# KiCad board IotKnob.kicad_pcb (continued)
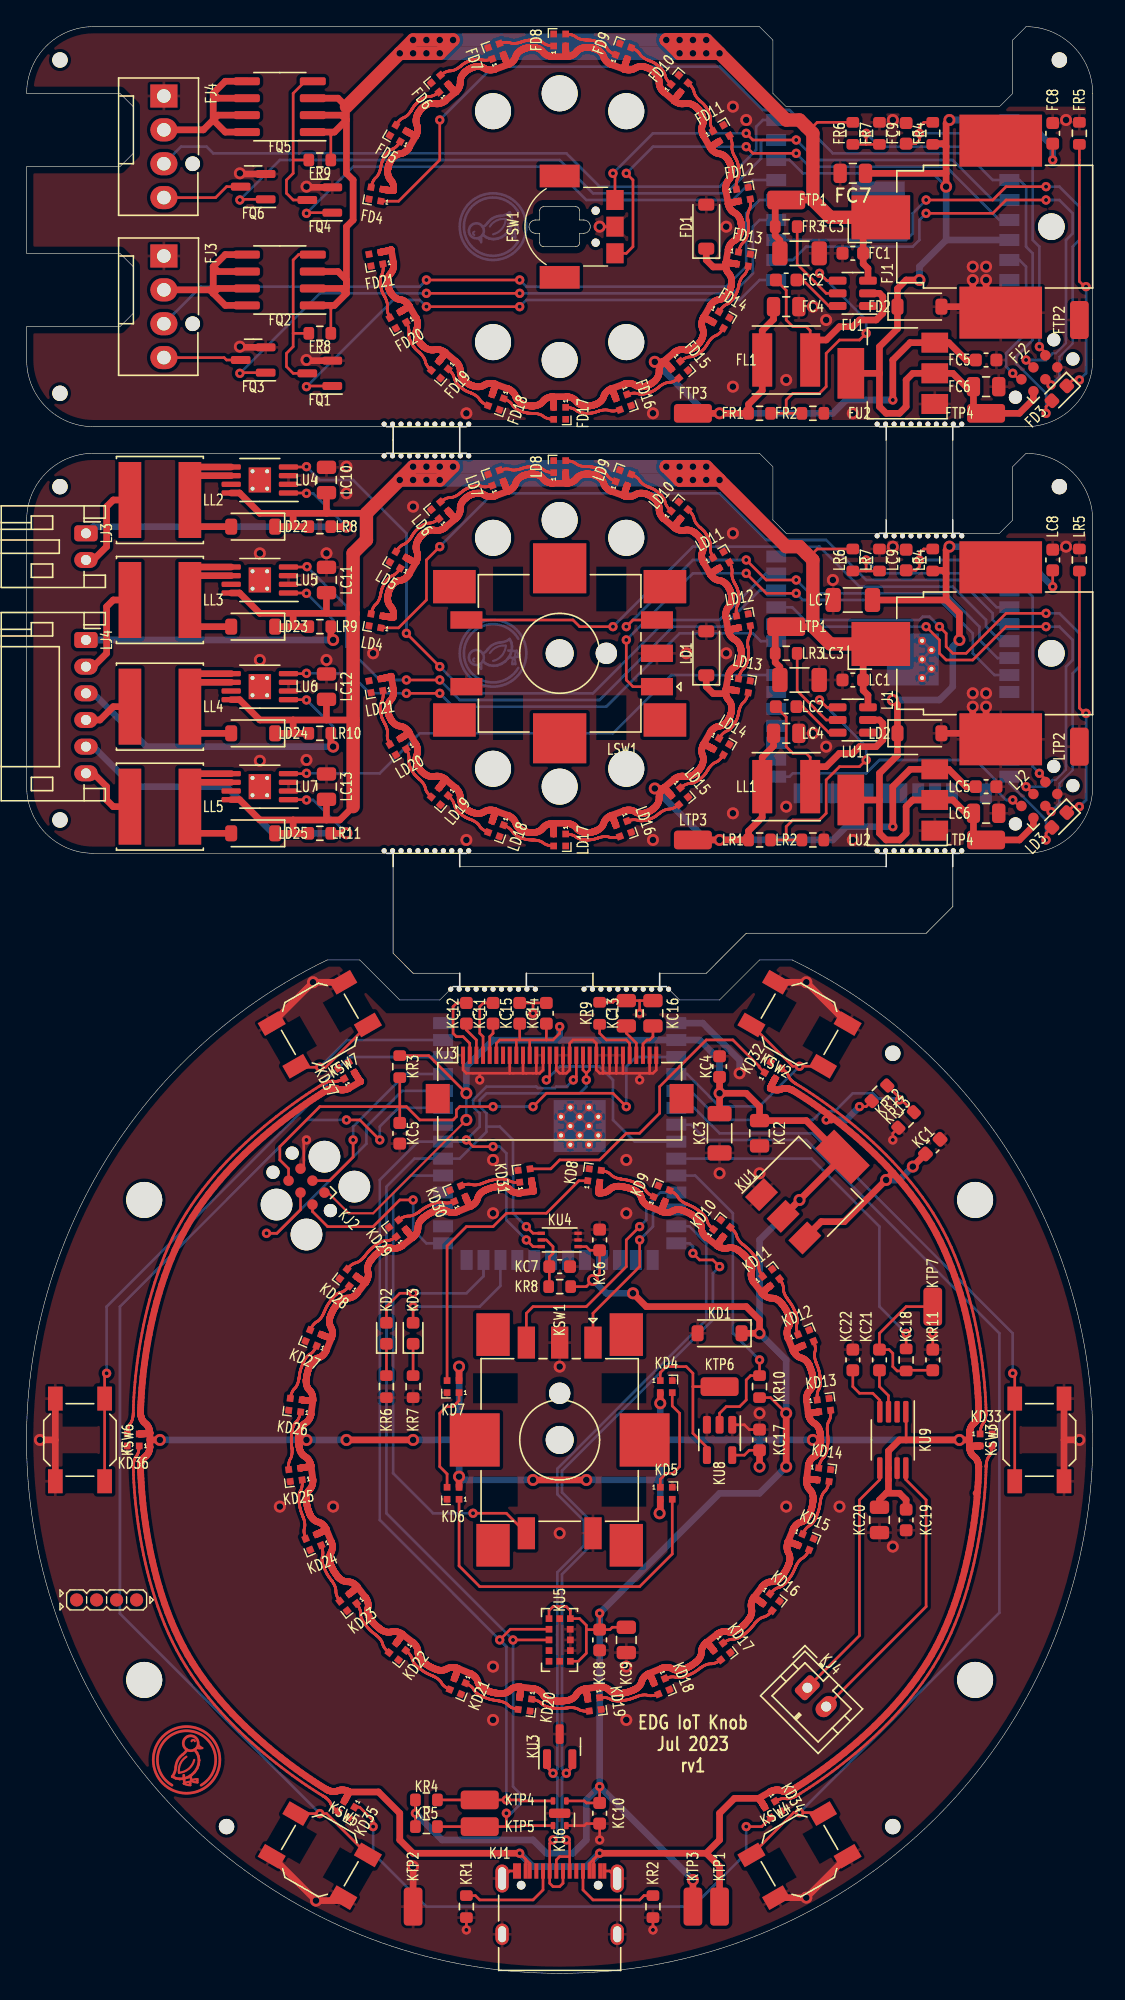
[diagram p0: board, top side]
## Footprints (pads in the part's own frame, mm; a bottom-side part is the same pattern mirrored in y, then rotated) (continued)
JST_PH_S2B-PH-K_1x02_P2.00mm_Horizontal
  rrect 1.2x1.75 hole 0.75: 1(0,0)
  oval 1.2x1.75 hole 0.75: 2(2,0)
JST_PH_S6B-PH-K_1x06_P2.00mm_Horizontal
  rrect 1.2x1.75 hole 0.75: 1(0,0)
  oval 1.2x1.75 hole 0.75: 2(2,0) 3(4,0) 4(6,0) 5(8,0) 6(10,0)
L_Sunlord_SWPA6045S
  rect 1.7x5.7 smd: 1(-2.25,0) 2(2.25,0)
L_Taiyo-Yuden_NR-50xx
  rect 1.5x4 smd: 1(-1.8,0) 2(1.8,0)
LED_0603_1608Metric
  rrect 0.875x0.95 smd: 1(-0.787,0) 2(0.787,0)
LED_SK6812_EC15_1.5x1.5mm
  rect 0.5x0.5 smd: 1(-0.45,0.45) 2(-0.45,-0.45) 3(0.45,-0.45) 4(0.45,0.45)
LED_SK6812_EC15_1.5x1.5mm#2
  rect 0.5x0.5 smd: 1(-0.45,0.45) 2(-0.45,-0.45) 3(0.45,-0.45) 4(0.45,0.45)
LED_SK6812_EC15_1.5x1.5mm#3
  rect 0.5x0.5 smd: 1(-0.45,0.45) 2(-0.45,-0.45) 3(0.45,-0.45) 4(0.45,0.45)
MountingHole_2.7mm_M2.5
  round 2.7 hole 2.7 unplated: (0,0)
MSOP-8-1EP_3x3mm_P0.65mm_EP1.68x1.88mm_ThermalVias
  rrect 0.7x0.79 smd: (-0.42,0.47) (-0.42,-0.47) (0.42,0.47) (0.42,-0.47)
  rrect 1.45x0.4 smd: 1(-2.15,0.975) 2(-2.15,0.325) 3(-2.15,-0.325) 4(-2.15,-0.975) 5(2.15,-0.975) 6(2.15,-0.325) 7(2.15,0.325) 8(2.15,0.975)
  round 0.5 hole 0.3: 9(-0.55,0.65) 9(-0.55,-0.65) 9(0.55,0.65) 9(0.55,-0.65)
  rect 1.6x1.8 smd far side: 9(0,0)
  rect 1.68x1.88 smd: 9(0,0)
MSOP-8_3x3mm_P0.65mm
  rrect 1.625x0.4 smd: 1(-2.112,0.975) 2(-2.112,0.325) 3(-2.112,-0.325) 4(-2.112,-0.975) 5(2.112,-0.975) 6(2.112,-0.325) 7(2.112,0.325) 8(2.112,0.975)
R_0603_1608Metric
  rrect 0.8x0.95 smd: 1(-0.825,0) 2(0.825,0)
RotaryEncoder_Alps_EC05E
  round 0.62 hole 0.62 unplated: (-1.2,-2.7) (1.2,-2.7)
  rect 1.5x1.3 smd: A(-2,-4.15) B(2,-4.15) C(0,-4.15)
  rect 1.7x3 smd: MP(-3.8,0) MP(3.8,0)
RotaryEncoder_Alps_EC11J15-Switch
  round 1.6 hole 2x1.6 unplated: (-3.5,0)
  round 2.1 hole 2.1 unplated: (0,0)
  rect 2.4x1.3 smd: A(-7.3,2.5) B(-7.3,-2.5) C(-7.3,0) S1(7,-2.5) S2(7,2.5)
  rect 3.2x2.5 smd: MP(-7.9,5) MP(-7.9,-5) MP(7.9,5) MP(7.9,-5)
  rect 4x3.75 smd: MP(0,6.375) MP(0,-6.375)
Sensirion_DFN-4-1EP_2x2mm_P1mm_EP0.7x1.6mm
  rrect 0.55x0.35 smd: (-1.025,0.5) (-1.025,-0.5) (1.025,0.5) (1.025,-0.5) 1(-0.925,0.5) 2(-0.925,-0.5) 3(0.925,-0.5) 4(0.925,0.5)
  rrect 0.5x1.4 smd: (0,0)
  rrect 0.7x1.6 smd: 5(0,0)
SOIC-8_3.9x4.9mm_P1.27mm
  rrect 1.95x0.6 smd: 1(-2.475,1.905) 2(-2.475,0.635) 3(-2.475,-0.635) 4(-2.475,-1.905) 5(2.475,-1.905) 6(2.475,-0.635) 7(2.475,0.635) 8(2.475,1.905)
SOT-23
  rrect 1.475x0.6 smd: 1(-0.938,0.95) 2(-0.938,-0.95) 3(0.938,0)
SOT-23-5
  rrect 1.325x0.6 smd: 1(-1.137,0.95) 2(-1.137,0) 3(-1.137,-0.95) 4(1.137,-0.95) 5(1.137,0.95)
SOT-23-6
  rrect 1.325x0.6 smd: 1(-1.137,0.95) 2(-1.137,0) 3(-1.137,-0.95) 4(1.137,-0.95) 5(1.137,0) 6(1.137,0.95)
SOT-223-3_TabPin2
  rect 2x1.5 smd: 1(-3.15,2.3) 2(-3.15,0) 3(-3.15,-2.3)
  rect 2x3.8 smd: 2(3.15,0)
ST_VL53L0X
  rect 0.5x0.5 smd: 1(-1.6,0.8) 2(-0.8,0.79) 3(0,0.8) 4(0.8,0.8) 5(1.6,0.8) 6(1.6,0) 7(1.6,-0.8) 8(0.8,-0.8) 9(0,-0.8) 10(-0.8,-0.8) 11(-1.6,-0.8) 12(-1.6,0)
SW_SPST_SKQG_WithoutStem
  rect 1.8x1.1 smd: 1(-3.1,1.85) 1(3.1,1.85) 2(-3.1,-1.85) 2(3.1,-1.85)
Tag-Connect_TC2030-IDC-FP_2x03_P1.27mm_Vertical
  round 2.375 hole 2.375 unplated: (-2.54,2.54) (-2.54,-2.54) (0.635,2.54) (0.635,-2.54)
  round 0.991 hole 0.991 unplated: (-2.54,0) (2.54,1.016) (2.54,-1.016)
  round 0.787 smd: 1(-1.27,-0.635) 2(-1.27,0.635) 3(0,-0.635) 4(0,0.635) 5(1.27,-0.635) 6(1.27,0.635)
Tag-Connect_TC2030-IDC-NL_2x03_P1.27mm_Vertical
  round 0.991 hole 0.991 unplated: (-2.54,0) (2.54,1.016) (2.54,-1.016)
  round 0.787 smd: 1(-1.27,-0.635) 2(-1.27,0.635) 3(0,-0.635) 4(0,0.635) 5(1.27,-0.635) 6(1.27,0.635)
TestPoint_TE_RCT_0805
  rrect 2.85x1.4 smd: 1(0,0)
USB_C_Receptacle_XKB_U262-16XN-4BVC11
  round 0.65 hole 0.65 unplated: (-2.89,2.605) (2.89,2.605)
  rect 0.3x1.15 smd: A1(-3.35,3.67) A4(-2.55,3.67) A5(-1.25,3.67) A6(-0.25,3.67) A7(0.25,3.67) A8(1.25,3.67) A9(2.55,3.67) A12(3.35,3.67) B1(3.05,3.67) B4(2.25,3.67) B5(1.75,3.67) B6(0.75,3.67) B7(-0.75,3.67) B8(-1.75,3.67) B9(-2.25,3.67) B12(-3.05,3.67)
  oval 1x2.1 hole 0.6x1.7: S1(-4.32,3.105) S1(4.32,3.105)
  oval 1x1.6 hole 0.6x1.2: S1(-4.32,-1.075) S1(4.32,-1.075)

## Nets
gnd: FC1.2 FC3.2 FC4.2 FC5.2 FC6.2 FC7.2 FC8.2 FC9.2 FD1.2 FD2.2 FD4.4 FD5.4 FD6.4 FD7.4 FD8.4 FD9.4 FD10.4 FD11.4 FD12.4 FD13.4 FD14.4 FD15.4 FD16.4 FD17.4 FD18.4 FD19.4 FD20.4 FD21.4 FJ1.2 FJ2.5 FJ3.1 FJ4.1 FQ1.2 FQ3.2 FQ4.2 FQ6.2 FR2.2 FR5.2 FR7.2 FSW1.C FTP2.1 FU1.1 FU2.1 FU3.9 FU3.19 KC1.2 KC2.2 KC3.2 KC4.2 KC5.2 KC6.2 KC7.2 KC8.2 KC9.2 KC10.2 KC13.2 KC14.2 KC15.2 KC16.2 KC17.2 KC18.2 KC19.2 KC20.2 KC22.2 KD1.2 KD4.4 KD5.4 KD6.4 KD7.4 KD8.4 KD9.4 KD10.4 KD11.4 KD12.4 KD13.4 KD14.4 KD15.4 KD16.4 KD17.4 KD18.4 KD19.4 KD20.4 KD21.4 KD22.4 KD23.4 KD24.4 KD25.4 KD26.4 KD27.4 KD28.4 KD29.4 KD30.4 KD31.4 KD32.4 KD33.4 KD34.4 KD35.4 KD36.4 KD37.4 KJ1.A1 KJ1.A12 KJ1.B1 KJ1.B12 KJ1.S1 KJ2.5 KJ3.1 KJ3.8 KJ3.10 KJ3.12 KJ3.13 KJ3.15 KJ3.16 KJ3.17 KJ3.21 KJ3.22 KJ3.23 KJ3.24 KJ3.25 KJ3.29 KJ3.30 KR1.1 KR2.1 KR6.2 KR7.2 KR9.2 KR13.2 KSW1.C KSW1.S2 KSW2.2 KSW3.2 KSW4.2 KSW5.2 KSW6.2 KSW7.2 KTP2.1 KU1.1 KU2.1 KU2.40 KU2.41 KU3.3 KU4.2 KU4.3 KU5.2 KU5.3 KU5.4 KU5.6 KU5.12 KU6.4 KU6.5 KU8.1 KU8.3 KU9.7 LC1.2 LC3.2 LC4.2 LC5.2 LC6.2 LC7.2 LC8.2 LC9.2 LC10.2 LC11.2 LC12.2 LC13.2 LD1.2 LD2.2 LD4.4 LD5.4 LD6.4 LD7.4 LD8.4 LD9.4 LD10.4 LD11.4 LD12.4 LD13.4 LD14.4 LD15.4 LD16.4 LD17.4 LD18.4 LD19.4 LD20.4 LD21.4 LJ1.2 LJ2.5 LR2.2 LR5.2 LR7.2 LSW1.C LSW1.S2 LTP2.1 LU1.1 LU2.1 LU3.1 LU3.40 LU3.41 LU4.2 LU4.3 LU5.2 LU5.3 LU6.2 LU6.3 LU7.2 LU7.3
v3v3: FC6.1 FC7.1 FC8.1 FD2.1 FJ2.1 FR4.1 FTP4.1 FU2.2 FU3.1 FU3.7 FU3.16 KC2.1 KC3.1 KC4.1 KC6.1 KC8.1 KC9.1 KC10.1 KC14.1 KC15.1 KD1.1 KJ2.1 KJ3.6 KJ3.9 KJ3.11 KR3.1 KR4.1 KR5.1 KR8.1 KR10.1 KTP3.1 KU1.2 KU2.2 KU4.1 KU5.1 KU5.5 KU5.11 KU6.1 LC6.1 LC7.1 LC8.1 LD2.1 LJ2.1 LR4.1 LTP4.1 LU2.2 LU3.2
v5v_sense.output: KR12.2 KR13.1 KU2.5
als.dvi_res.b: KC7.1 KR8.2 KU4.5
dist.gpio1: KU5.7
enc.a: FSW1.A FU3.6 KSW1.A KU2.12 LSW1.A LU3.8
enc.b: FSW1.B FU3.5 KSW1.B KU2.11 LSW1.B LU3.7
enc.sw: KSW1.S1 KU2.31 LSW1.S1 LU3.6
i2c_chain_0.scl: KJ3.18 KR4.2 KTP4.1 KU2.33 KU4.6 KU5.10 KU6.2
i2c_chain_0.sda: KJ3.19 KJ3.20 KR5.2 KTP5.1 KU2.32 KU4.4 KU5.9 KU6.3
io8_pur.io: KR10.2 KU2.10 KU8.2
ledr.res.a: FD3.1 FR5.1 KD2.1 KR6.1 LD3.1 LR5.1
ledr.signal: FD3.2 FD4.1 FU3.4 KD2.2 KU2.25 LD3.2 LU3.14
ledy.res.a: KD3.1 KR7.1
ledy.signal: KD3.2 KU2.24
mcu.program_boot_node: FJ2.2 FU3.8 KJ2.2 KU2.27 LJ2.2 LU3.27
mcu.program_en_node: FC9.1 FJ2.6 FR4.2 FU3.2 KC5.1 KJ2.6 KR3.2 KU2.3 LC9.1 LJ2.6 LR4.2 LU3.3
mcu.program_uart_node.a_tx: FJ2.3 FU3.12 KJ2.3 KU2.37 LJ2.3 LU3.37
mcu.program_uart_node.b_tx: FJ2.4 FU3.11 KJ2.4 KU2.36 LJ2.4 LU3.36
oled.c1_cap.neg: KC11.2 KJ3.5
oled.c1_cap.pos: KC11.1 KJ3.4
oled.c2_cap.neg: KC12.2 KJ3.3
oled.c2_cap.pos: KC12.1 KJ3.2
oled.device.vcc: KC16.1 KJ3.28
oled.device.vcomh: KC13.1 KJ3.27
oled.iref_res.a: KJ3.26 KR9.1
oled.reset: KJ3.14 KU2.8
rgb_knob.dout: KD7.3 KD8.1
rgb_knob.led[0].dout: KD4.3 KD5.1
rgb_knob.led[1].dout: KD5.3 KD6.1
rgb_knob.led[2].dout: KD6.3 KD7.1
rgb_ring.dout: FD21.3 KD31.3 KD32.1 LD21.3
rgb_ring.led[0].dout: FD4.3 FD5.1 KD8.3 KD9.1 LD4.3 LD5.1
rgb_ring.led[1].dout: FD5.3 FD6.1 KD9.3 KD10.1 LD5.3 LD6.1
rgb_ring.led[2].dout: FD6.3 FD7.1 KD10.3 KD11.1 LD6.3 LD7.1
rgb_ring.led[3].dout: FD7.3 FD8.1 KD11.3 KD12.1 LD7.3 LD8.1
rgb_ring.led[4].dout: FD8.3 FD9.1 KD12.3 KD13.1 LD8.3 LD9.1
rgb_ring.led[5].dout: FD9.3 FD10.1 KD13.3 KD14.1 LD9.3 LD10.1
rgb_ring.led[6].dout: FD10.3 FD11.1 KD14.3 KD15.1 LD10.3 LD11.1
rgb_ring.led[7].dout: FD11.3 FD12.1 KD15.3 KD16.1 LD11.3 LD12.1
rgb_ring.led[8].dout: FD12.3 FD13.1 KD16.3 KD17.1 LD12.3 LD13.1
rgb_ring.led[9].dout: FD13.3 FD14.1 KD17.3 KD18.1 LD13.3 LD14.1
rgb_ring.led[10].dout: FD14.3 FD15.1 KD18.3 KD19.1 LD14.3 LD15.1
rgb_ring.led[11].dout: FD15.3 FD16.1 KD19.3 KD20.1 LD15.3 LD16.1
rgb_ring.led[12].dout: FD16.3 FD17.1 KD20.3 KD21.1 LD16.3 LD17.1
rgb_ring.led[13].dout: FD17.3 FD18.1 KD21.3 KD22.1 LD17.3 LD18.1
rgb_ring.led[14].dout: FD18.3 FD19.1 KD22.3 KD23.1 LD18.3 LD19.1
rgb_ring.led[15].dout: FD19.3 FD20.1 KD23.3 KD24.1 LD19.3 LD20.1
rgb_ring.led[16].dout: FD20.3 FD21.1 KD24.3 KD25.1 LD20.3 LD21.1
rgb_ring.led[17].dout: KD25.3 KD26.1
rgb_ring.led[18].dout: KD26.3 KD27.1
rgb_ring.led[19].dout: KD27.3 KD28.1
rgb_ring.led[20].dout: KD28.3 KD29.1
rgb_ring.led[21].dout: KD29.3 KD30.1
rgb_ring.led[22].dout: KD30.3 KD31.1
rgb_shift.output: KD4.1 KTP6.1 KU8.4
rgb_sw.dout: KD37.3
rgb_sw.led[0].dout: KD32.3 KD33.1
rgb_sw.led[1].dout: KD33.3 KD34.1
rgb_sw.led[2].dout: KD34.3 KD35.1
rgb_sw.led[3].dout: KD35.3 KD36.1
rgb_sw.led[4].dout: KD36.3 KD37.1
spk_dac.input: KR11.1 KU2.9
spk_dac.output: KC18.1 KC21.2 KR11.2 KTP7.1
spk_drv.inn_cap.pos: KC22.1 KU9.4
spk_drv.inp_cap.pos: KC21.1 KU9.3
spk_drv.spk.a: KJ4.1 KU9.5
spk_drv.spk.b: KJ4.2 KU9.8
sw[0].out: KSW2.1 KU2.4
sw[1].out: KSW3.1 KU2.6
sw[2].out: KSW4.1 KU2.7
sw[3].out: KSW5.1 KU2.35
sw[4].out: KSW6.1 KU2.38
sw[5].out: KSW7.1 KU2.39
usb.conn.A5: KJ1.A5 KR1.2
usb.conn.B5: KJ1.B5 KR2.2
usb_chain_0.d_N: KJ1.A7 KJ1.B7 KU2.13 KU3.1
usb_chain_0.d_P: KJ1.A6 KJ1.B6 KU2.14 KU3.2
vusb: KC1.1 KC17.1 KC19.1 KC20.1 KD4.2 KD5.2 KD6.2 KD7.2 KD8.2 KD9.2 KD10.2 KD11.2 KD12.2 KD13.2 KD14.2 KD15.2 KD16.2 KD17.2 KD18.2 KD19.2 KD20.2 KD21.2 KD22.2 KD23.2 KD24.2 KD25.2 KD26.2 KD27.2 KD28.2 KD29.2 KD30.2 KD31.2 KD32.2 KD33.2 KD34.2 KD35.2 KD36.2 KD37.2 KJ1.A4 KJ1.A9 KJ1.B4 KJ1.B9 KR12.1 KTP1.1 KU1.3 KU8.5 KU9.1 KU9.6

Pads without a net: FC1 1; FC2 1 2; FC3 1; FC4 1; FC5 1; FD1 1; FD4 2; FD5 2; FD6 2; FD7 2; FD8 2; FD9 2; FD10 2; FD11 2; FD12 2; FD13 2; FD14 2; FD15 2; FD16 2; FD17 2; FD18 2; FD19 2; FD20 2; FD21 2; FJ1 1 3; FJ3 2 3 4; FJ4 2 3 4; FL1 1 2; FQ1 1 3; FQ2 1 2 3 4 5 6 7 8; FQ3 1 3; FQ4 1 3; FQ5 1 2 3 4 5 6 7 8; FQ6 1 3; FR1 1 2; FR2 1; FR3 1 2; FR6 1 2; FR7 1; FR8 1 2; FR9 1 2; FSW1 MP; FTP1 1; FTP3 1; FU1 2 3 4 5 6; FU2 3; FU3 3 10 13 14 15 17 18; KJ1 A8 B8; KJ3 7 MP; KSW1 MP; KU2 15 16 17 18 19 20 21 22 23 26 28 29 30 34; KU5 8; KU9 2; LC1 1; LC2 1 2; LC3 1; LC4 1; LC5 1; LC10 1; LC11 1; LC12 1; LC13 1; LD1 1; LD4 1 2; LD5 2; LD6 2; LD7 2; LD8 2; LD9 2; LD10 2; LD11 2; LD12 2; LD13 2; LD14 2; LD15 2; LD16 2; LD17 2; LD18 2; LD19 2; LD20 2; LD21 2; LD22 1 2; LD23 1 2; LD24 1 2; LD25 1 2; LJ1 1 3; LJ3 1 2; LJ4 1 2 3 4 5 6; LL1 1 2; LL2 1 2; LL3 1 2; LL4 1 2; LL5 1 2; LR1 1 2; LR2 1; LR3 1 2; LR6 1 2; LR7 1; LR8 1 2; LR9 1 2; LR10 1 2; LR11 1 2; LSW1 MP; LTP1 1; LTP3 1; LU1 2 3 4 5 6; LU2 3; LU3 4 5 9 11 12 13 15 17 18 19 20 21 22 23 24 25 26 28 29 30 31 32 33 35 38 39; LU4 1 4 5 6 7 8 9; LU5 1 4 5 6 7 8 9; LU6 1 4 5 6 7 8 9; LU7 1 4 5 6 7 8 9

## Via types
v1: diameter 0.9, hole 0.5, Top to Bottom, 145 vias
v2: diameter 0.7, hole 0.3, Top to Bottom, 132 vias

## Routing (per net, layer and track width the routed paths; a pad name or vN(x,y) marks a point on that pad's centre or on a via; arc(x,y) is an arc through that point)
gnd: length 130.6
  Top w0.2: KJ3.12 38.25,67.51 ; 38.25,67.51 37.25,67.51 ; 38.25,67.51 38.5,67.51 38.75,67.76 KJ3.13 ; 44.25,67.51 44.75,67.51 ; 44.25,67.51 43.75,67.51 ; 44.25,67.51 KJ3.24 ; 44.75,67.51 46,67.51 ; 44.75,67.51 KJ3.25 ; 43.25,67.51 43,67.51 42.75,67.76 KJ3.21 42.75,69.76 42.5,70.01 41,70.01 40.75,69.76 KJ3.17 40.75,67.76 40.5,67.51 40.25,67.51 ; 43.25,67.51 43.75,67.51 ; 43.25,67.51 KJ3.22 ; KU8.1 53.86,41.14 54.22,40.78 KC17.2 ; KJ2.5 20.8,60.6 20.8,62.3 v2(21,62.51) ; KC15.2 38,72.78 ; 38,72.78 v2(38,72.01) ; 38,72.78 KC14.2 ; 43.75,67.51 KJ3.23 ; 46,67.51 v2(46,67.01) ; 46,67.51 46.75,67.51 ; 46.75,67.51 47,67.51 47.25,67.76 KJ3.30 ; 46.75,67.51 KJ3.29 ; KJ3.8 36.25,67.51 ; 36.25,67.51 34,67.51 ; 36.25,67.51 37.25,67.51 ; KJ1.A12 43.75,7.68 KJ1.S1 ; 40.25,67.51 KJ3.16 ; 40.25,67.51 40,67.51 39.75,67.76 KJ3.15 ; FSW1.C v1(43,131.01) ; KR13.2 65,63.01 v2(65,62.51) ; 37.25,67.51 KJ3.10 ; KJ1.S1 36.25,7.68 KJ1.A1 ; 34,67.51 33,67.51 32.75,67.76 KJ3.1 ; 34,67.51 v2(34,67.01) ; 46,72.96 KC16.2 ; 46,72.96 v2(46,72.01) ; 46,72.96 KC13.2 44.12,72.96 44,72.83 KR9.2 ; KU6.4 41.85,11.08 42,11.23 KC10.2 v2(43,10.01) ; KC18.2 v2(68,48.01) ; KR1.1 v2(33,3.26) ; KR2.1 v2(47,3.26)
  Top w0.5: 77.85,40.01 KSW3.2 ; 77.85,40.01 KSW3.2 ; 77.85,40.01 v1(79,40.01) ; FQ3.2 16.05,121.96 v1(16,122.01) ; FQ4.2 21.05,133.96 v1(21,134.01) ; KSW2.2 v1(58.51,74.34) KSW2.2 ; v1(72,127.01) 72,126.01 ; 2.15,40.01 v1(1,40.01) ; 2.15,40.01 KSW6.2 ; 2.15,40.01 KSW6.2 ; v1(71,127.01) 71,126.01 ; v1(16,135.01) 16.05,134.96 FQ6.2 ; KSW4.2 v1(58.51,5.68) KSW4.2 ; v1(21,121.01) 21.05,120.96 FQ1.2 ; v1(72,95.01) 72,94.01 ; KSW7.2 v1(21.49,74.34) KSW7.2 ; v1(71,95.01) 71,94.01 ; FD2.2 72.55,125.01 ; 23.76,5.45 v1(21.71,5.45) KSW5.2 ; KTP2.1 v1(29,8.01) ; LD2.2 72.55,93.01
  Bottom w0.5: KU2.1 50.74,71.27 53.5,68.51 v1(53.5,67.51)
  vias: v1(17.5,106.51) v1(17.5,98.51) v1(17.5,90.95) v1(19,35.01) v1(21,91.01) v1(22.5,106.51) v1(22.5,98.51) v1(23,35.01) v1(24,113.01) v1(24,111.01) v1(26,99.01) v1(29,110.01) v1(33,117.01) v1(33,85.01) v1(35,61.01) v1(35,57.01) v1(35,23.01) v1(35,19.01) v1(40,45.51) v1(40,33.01) v1(45,61.01) v1(45,57.01) v1(45,23.01) v1(45,19.01) v1(47,117.01) v1(47,85.01) v1(49.5,99.01) v1(52,60.01) v1(52.5,131.01) v1(52.5,99.01) v1(53,140.01) v1(53,119.01) v1(53,108.01) v1(53,87.01) v1(54,139.01) v1(55,60.01) v1(55,42.01) v1(57,119.51) v1(57,87.51) v1(57,35.01) v1(59,125.01) v1(59,93.01) v1(60,124.01) v1(60,92.01) v1(60.5,104.51) v1(61,35.01) v1(62,117.01) v1(62,85.01) v1(65,139.01) v1(65,107.01) v1(65,32.01) v1(71,128.01) v1(71,96.01) v1(72,128.01) v1(72,96.01) v1(78,139.01) v1(78,107.01)
v3v3: length 348.4
  Top w0.16: v1(33,64.01) 26,57.01 24.17,57.01 22.62,58.56
  Top w0.2: 39,70.01 KC14.1 ; 39,70.01 37.75,70.01 ; 39,70.01 39.5,70.01 40,70.51 v2(40,71.01) ; KR3.1 30.17,68.83 v1(33,66.01) ; 42,25.76 42.03,25.78 KC8.1 ; 42,25.76 42,24.01 41.4,23.41 KU5.5 ; 42,25.76 42,26.11 41.5,26.61 KU5.1 40.8,27.21 40.5,27.51 39.5,27.51 39.2,27.21 KU5.11 ; KR8.1 42,51.51 v1(42.5,52.01) 43,52.51 KC6.1 42.28,54.23 42,54.51 KU4.1 ; 77,105.18 v2(77,104.01) ; 37.75,70.01 36.75,70.01 ; 37.75,70.01 KJ3.11 ; 36.75,70.01 35.5,70.01 35.25,69.76 KJ3.6 ; 36.75,70.01 KJ3.9 ; KC9.1 43.95,25.96 43.78,25.78 KC8.1 ; KU6.1 41.85,12.93 42,12.78 KC10.1 v2(43,14.01) ; v1(57,42.01) 55.83,43.18 KR10.1 ; 77,137.18 v2(77,136.01) ; KC8.1 v2(43,27.01) ; KR5.1 KR4.1 ; 37,70.01 KC15.1
  Top w0.5: v1(69,134.01) 69,135.01 ; 69,135.01 63.47,135.01 ; 69,135.01 69,137.01 ; 71.05,117.06 FC6.1 70.5,119.01 69.5,120.01 FU2.2 66.5,120.01 66,119.51 66,117.51 65.5,117.01 64.5,117.01 64,117.51 64,120.01 ; 69,105.01 69,103.01 ; 69,105.01 69,106.76 v1(69.25,107.01) ; 69,105.01 68.78,105.23 68,105.23 ; 69,103.01 70,102.01 v1(70,100.01) ; 69,103.01 LC7.1 ; LJ2.1 75.55,86.06 74.5,85.01 LTP4.1 ; v1(69.25,139.01) 69,138.76 69,137.01 ; 64,88.01 64,85.51 64.5,85.01 65.5,85.01 66,85.51 66,87.51 66.5,88.01 LU2.2 69.5,88.01 70.5,87.01 LC6.1 71.05,85.06 ; 64,88.01 LU2.2 ; 64,88.01 64,90.01 65.35,91.36 LD2.1 65.35,95.16 v1(65,95.51) ; v1(52,66.01) 54,66.01 55,65.01 KC2.1 58.5,63.96 KU1.2 KU1.2 ; v1(52,66.01) KC3.1 ; v1(52,66.01) KC4.1 ; FJ2.1 75.55,118.06 74.5,117.01 FTP4.1 ; v1(67,127.01) 66,127.01 65.35,126.36 FD2.1 65.35,123.36 64,122.01 64,120.01 ; KD1.1 v1(55,48.01) 55,49.01 54,50.01 46.5,50.01 v1(45.5,51.01) ; 68,137.23 68.78,137.23 69,137.01 ; 64,120.01 FU2.2 ; v1(57,38.01) v1(57,42.01) ; KTP3.1 v1(50,7.01)
  Bottom w0.2: v1(69,134.01) 68,135.01 58.25,135.01 57.25,136.01 FU3.16 ; v1(33,64.01) 33,64.01 v1(33,66.01)
  Bottom w0.5: v1(45.5,51.01) 43.5,51.01 v1(42.5,52.01) ; v1(70,100.01) 69.5,99.51 69.5,96.51 68.5,95.51 v1(65,95.51) ; 69,130.01 67,128.01 v1(67,127.01) ; 69,130.01 v1(69,134.01) ; 69,130.01 FU3.7 ; v1(33,66.01) 33,68 34.99,70 40,70 ; v1(57,42.01) 57,46.01 v1(55,48.01) 55,55.01 v1(58,58.01) ; v1(69.25,139.01) FU3.1 75,139.01 77,137.01 v2(77,136.01) ; v2(43,14.01) 42,13.01 42,10.01 41,9.01 39,9.01 38,10.01 31.17,10.01 v2(29.17,12.01) ; v2(43,14.01) v2(43,27.01) 52,36.01 55,36.01 v1(57,38.01) ; v2(43,14.01) v1(50,7.01) ; v1(52,66.01) 52,68.51 50.51,70 KU2.2 40,70 ; 40,70 v2(40,71.01) ; v2(77,104.01) 76.01,105 LU3.2 72.51,105 70.5,107.01 v1(69.25,107.01)
v5v_sense.output: length 21.6
  Top w0.2: KR12.2 65.5,65.67 v2(65.5,65.51) 65.67,65.51 KR13.1
  Bottom w0.2: KU2.5 49.82,66.19 52,64.01 59,64.01 59.65,64.66 60.65,64.66 62,66.01 63.5,66.01 63.89,65.62 65.39,65.62 v2(65.5,65.51)
(no net): length 1520
  Top w0.2: FQ3.1 16.05,120.06 v2(16,120.01) ; v2(21,90.01) 20.97,89.98 LU7.4 ; LR3.2 57.83,96.19 59.11,94.91 59.11,94.9 60,94.01 LU1.5 ; v2(21.04,105.51) 21.01,105.48 LU5.4 ; FU1.6 60.2,125.06 58.25,127.01 FC2.1 ; LR6.2 63,105.18 ; 63,105.18 LR7.1 ; 63,105.18 v2(63,106.01) ; FR6.1 59.33,138.83 59,138.51 58.5,138.51 ; FC2.2 57,126.23 57,124.01 57.5,123.51 58.5,123.51 58.8,123.21 FL1.1 ; FR8.1 22.83,124.83 23.09,125.1 ; FU1.5 60,126.01 59.11,126.9 59.11,126.91 57.83,128.19 FR3.2 ; v2(63,138.01) 63,137.18 ; 63,137.18 FR6.2 ; 63,137.18 FR7.1 ; FQ1.1 21.05,119.06 v2(21,119.01) ; v2(21,111.01) 20.97,111.03 LU4.1 ; FR1.2 57,117.01 ; 57,117.01 57,118.01 57.5,118.51 59.5,118.51 60,119.01 60,121.51 61,122.51 62.5,122.51 v2(63,123.01) ; 57,117.01 FR2.1 ; LR1.2 57,85.01 ; 57,85.01 57,86.01 57.5,86.51 59.5,86.51 60,87.01 60,89.51 61,90.51 62.5,90.51 v2(63,91.01) ; 57,85.01 LR2.1 ; v2(21,132.01) 21.05,132.06 FQ4.1 ; v2(31,97.01) v2(28.5,97.01) ; 20,136.01 20,135.01 19.5,134.51 19.5,133.51 20,133.01 FQ4.3 ; 20,136.01 20,141.01 20.91,141.91 ; 20,136.01 FR9.2 ; v2(31,96.01) v2(28.5,96.01) ; FJ4.4 14.18,133.19 15,134.01 FQ6.3 ; 20,123.01 20,128.51 20.41,128.91 FQ2.4 ; 20,123.01 FR8.2 ; 20,123.01 20,122.01 19.5,121.51 19.5,120.51 20,120.01 FQ1.3 ; v2(21,103.51) 20.97,103.53 LU5.1 ; LU6.4 20.97,97.48 v2(21,97.51) ; FU1.4 60.05,126.96 v2(59.5,127.51) ; FR9.1 22.83,137.83 23.09,138.1 ; LC2.2 57,94.23 57,92.01 57.5,91.51 58.5,91.51 58.8,91.21 LL1.1 ; v2(21,88.01) 20.97,88.03 LU7.1 ; v2(37,127.01) v2(30,127.01) ; v2(30,126.01) v2(37,126.01) ; LD4.1 27.91,100.92 30,103.01 30,106.01 v2(31,107.01) ; LU6.1 20.97,95.53 v2(21,95.51) ; LU1.6 60.2,93.06 58.25,95.01 LC2.1 ; v2(59.5,95.51) 60.05,94.96 LU1.4 ; FQ6.1 16.05,133.06 v2(16,133.01) ; FJ3.4 14.82,121.19 15,121.01 FQ3.3 ; v2(37,125.01) v2(30,125.01) ; v2(31,98.01) v2(28.5,100.51) ; 58.5,106.51 59,106.51 59.33,106.83 LR6.1 ; v2(21,113.01) 20.97,112.98 LU4.4
  Top w0.5: LD9.2 45.05,111.57 45.05,111.56 45.04,111.54 45.04,111.52 45.03,111.5 45.02,111.48 45.02,111.47 45,111.43 44.98,111.37 44.97,111.33 44.96,111.3 44.95,111.28 44.94,111.23 44.93,111.21 44.91,111.13 44.9,111.11 44.89,111.08 44.88,111.05 44.88,111.03 44.87,111.01 44.86,110.99 44.86,110.95 44.85,110.94 44.85,110.92 44.84,110.91 44.84,110.9 44.83,110.87 44.83,110.85 44.83,110.83 44.83,110.82 44.83,110.82 ; 58.5,90.51 60,90.51 61,91.51 62,91.51 62.5,92.01 63.75,92.01 64.25,92.51 64.25,93.76 64,94.01 LU1.2 ; 52.47,96.3 52.64,97.28 52.65,97.31 52.66,97.34 52.67,97.4 52.69,97.44 52.7,97.47 52.71,97.5 52.72,97.52 52.75,97.58 52.77,97.61 52.78,97.64 52.8,97.67 52.82,97.7 52.84,97.73 52.87,97.76 52.92,97.82 52.95,97.85 52.98,97.87 53.01,97.9 53.04,97.92 53.08,97.94 53.16,97.98 53.19,98 53.23,98.03 53.26,98.05 53.29,98.08 53.32,98.11 53.34,98.13 53.37,98.16 53.39,98.19 53.41,98.22 53.43,98.25 53.45,98.28 53.47,98.31 53.49,98.34 53.5,98.37 53.52,98.4 53.53,98.43 53.54,98.46 53.55,98.48 53.56,98.51 53.57,98.55 53.58,98.6 53.59,98.64 53.6,98.67 53.6,98.67 53.6,98.68 53.61,98.72 53.61,98.73 53.61,98.75 53.62,98.82 53.62,98.85 53.62,98.87 53.63,98.9 53.63,98.98 53.63,99.03 53.63,99.11 53.62,99.14 53.62,99.16 53.61,99.25 53.61,99.27 53.61,99.28 53.61,99.29 53.6,99.33 53.6,99.34 53.59,99.37 53.58,99.41 53.57,99.46 53.56,99.51 53.55,99.53 53.54,99.56 53.53,99.58 53.52,99.61 53.5,99.64 53.49,99.67 53.47,99.7 53.45,99.73 53.43,99.76 53.41,99.79 53.39,99.82 53.37,99.85 53.34,99.88 53.32,99.91 53.29,99.93 53.26,99.96 53.23,99.99 53.19,100.01 53.16,100.03 53.08,100.07 53.04,100.09 53.01,100.12 52.98,100.14 52.95,100.17 52.92,100.19 52.87,100.25 52.84,100.28 52.82,100.31 52.8,100.34 52.78,100.37 52.77,100.4 52.75,100.43 52.72,100.49 52.71,100.52 52.7,100.54 52.69,100.57 52.67,100.62 52.66,100.68 52.65,100.7 52.64,100.73 52.64,100.73 ; 52.47,96.3 52.47,96.28 52.46,96.26 52.46,96.25 52.46,96.23 52.46,96.16 52.46,96.11 52.46,96.08 52.46,96.05 52.46,96.02 52.47,95.98 ; 52.47,96.3 52.48,96.3 52.53,96.3 52.54,96.3 52.55,96.3 52.59,96.3 52.61,96.3 52.67,96.29 52.71,96.29 52.79,96.28 52.82,96.28 52.87,96.27 52.9,96.27 52.95,96.26 52.97,96.26 52.99,96.25 53.02,96.25 53.08,96.24 53.14,96.23 53.17,96.23 53.2,96.22 53.24,96.22 53.26,96.21 ; v1(23,100.01) 22.83,100.18 LR9.2 ; 29.21,137.81 28.71,136.95 28.69,136.92 28.67,136.89 28.64,136.85 28.61,136.82 28.55,136.75 28.53,136.73 28.51,136.71 28.48,136.68 28.45,136.66 28.43,136.64 28.4,136.62 28.37,136.6 28.33,136.58 28.3,136.56 28.27,136.54 28.23,136.53 28.19,136.51 28.15,136.5 28.11,136.49 28.07,136.48 28.03,136.47 27.99,136.47 27.95,136.46 27.91,136.45 27.87,136.44 27.83,136.42 27.79,136.41 27.76,136.39 27.73,136.37 27.69,136.35 27.66,136.33 27.63,136.31 27.61,136.29 27.58,136.26 27.55,136.24 27.53,136.22 27.51,136.2 27.47,136.15 27.43,136.11 27.42,136.09 27.38,136.04 27.36,136.01 27.35,136 27.34,135.98 27.33,135.95 27.31,135.92 27.3,135.91 27.29,135.89 27.28,135.87 27.27,135.85 27.25,135.81 27.24,135.8 27.22,135.75 27.21,135.72 27.18,135.66 27.17,135.63 27.17,135.62 27.16,135.57 27.15,135.55 27.15,135.54 27.15,135.52 27.14,135.49 27.14,135.47 27.13,135.46 27.12,135.42 27.12,135.39 27.11,135.35 27.1,135.31 27.1,135.3 27.1,135.29 27.09,135.26 27.09,135.24 27.09,135.22 27.09,135.17 27.09,135.15 27.09,135.06 27.1,135.03 27.1,135 27.11,134.96 27.11,134.93 27.12,134.89 27.13,134.86 27.14,134.82 27.15,134.79 27.16,134.75 27.18,134.72 27.2,134.68 27.22,134.64 27.24,134.61 27.26,134.58 27.29,134.54 27.34,134.48 27.37,134.45 27.39,134.41 27.42,134.38 27.44,134.34 27.45,134.31 27.47,134.27 27.48,134.24 27.5,134.2 27.5,134.17 27.51,134.13 27.52,134.1 27.53,134.06 27.53,134.03 27.54,134 27.54,133.96 27.54,133.93 27.54,133.9 27.54,133.85 27.54,133.78 27.54,133.77 27.54,133.75 27.53,133.72 27.53,133.71 27.51,133.71 27.47,133.71 27.46,133.71 27.45,133.71 27.41,133.71 27.39,133.71 27.35,133.72 27.31,133.72 27.29,133.72 27.21,133.73 27.18,133.74 27.13,133.74 27.1,133.75 27.05,133.75 27.03,133.76 27.01,133.76 26.98,133.76 26.92,133.77 26.86,133.78 26.83,133.79 26.77,133.8 26.74,133.8 ; 29.21,137.81 29.19,137.82 29.16,137.83 29.15,137.83 29.14,137.83 29.11,137.85 29.09,137.86 29.08,137.86 29.03,137.89 28.98,137.91 28.96,137.92 28.94,137.93 28.91,137.94 28.86,137.97 28.82,137.99 28.77,138.02 28.75,138.03 28.73,138.04 28.69,138.06 28.64,138.09 28.59,138.12 28.53,138.15 28.52,138.16 28.49,138.17 ; 29.21,137.82 29.23,137.86 29.25,137.9 29.26,137.92 29.28,137.96 29.28,137.99 29.3,138.05 29.32,138.11 29.33,138.14 29.33,138.18 29.34,138.21 29.34,138.29 29.34,138.32 29.34,138.36 29.34,138.4 29.34,138.44 29.33,138.48 29.32,138.52 29.31,138.56 29.3,138.6 29.28,138.64 29.26,138.68 29.25,138.72 29.24,138.76 29.23,138.8 29.22,138.84 29.22,138.88 29.22,138.92 29.22,138.95 29.22,138.99 29.22,139.06 29.23,139.1 29.24,139.17 29.26,139.23 29.28,139.29 29.28,139.31 29.3,139.36 29.31,139.38 29.32,139.4 29.33,139.42 29.33,139.43 29.34,139.45 29.36,139.47 29.36,139.49 29.37,139.5 29.39,139.52 29.39,139.53 29.41,139.55 29.43,139.59 29.44,139.61 29.47,139.65 29.48,139.67 29.49,139.69 29.52,139.73 29.55,139.76 29.56,139.77 29.56,139.78 29.59,139.81 29.64,139.86 29.65,139.87 29.66,139.88 29.73,139.95 29.8,140.01 29.82,140.02 29.83,140.03 29.84,140.04 29.85,140.05 29.88,140.07 29.9,140.08 29.92,140.09 29.96,140.12 30.01,140.14 30.06,140.17 30.09,140.18 30.13,140.2 30.16,140.21 30.19,140.22 30.23,140.23 30.3,140.25 30.34,140.25 30.38,140.26 30.42,140.26 30.46,140.26 30.5,140.26 30.54,140.25 30.58,140.25 30.66,140.23 30.7,140.22 30.75,140.22 30.79,140.22 30.83,140.22 30.87,140.22 30.91,140.22 30.94,140.23 30.98,140.24 31.02,140.25 31.05,140.26 31.08,140.27 31.12,140.28 31.15,140.29 31.18,140.31 31.21,140.32 31.23,140.33 31.26,140.35 31.28,140.36 31.31,140.37 31.36,140.41 31.38,140.42 31.39,140.43 31.4,140.44 31.42,140.45 32.19,141.09 ; LU6.5 13.03,97.48 ; v2(65,86.01) 65,89.01 66.3,90.31 LU2.3 69.2,90.31 70.5,89.01 LC5.1 ; 52.47,128.3 52.47,128.28 52.46,128.26 52.46,128.25 52.46,128.23 52.46,128.16 52.46,128.11 52.46,128.08 52.46,128.05 52.46,128.02 52.47,127.98 ; 52.47,128.3 52.48,128.3 52.53,128.3 52.54,128.3 52.55,128.3 52.61,128.3 52.65,128.3 52.71,128.29 52.79,128.28 52.82,128.28 52.87,128.27 52.9,128.27 52.95,128.26 52.97,128.26 52.99,128.25 53.02,128.25 53.08,128.24 53.14,128.23 53.17,128.23 53.2,128.22 53.24,128.22 53.26,128.21 ; 52.47,128.3 52.64,129.28 52.65,129.31 52.66,129.34 52.67,129.4 52.69,129.44 52.7,129.47 52.71,129.5 52.72,129.52 52.75,129.58 52.77,129.61 52.78,129.64 52.8,129.67 52.82,129.7 52.84,129.73 52.87,129.76 52.92,129.82 52.95,129.85 52.98,129.87 53.01,129.9 53.04,129.92 53.08,129.94 53.16,129.98 53.19,130 53.23,130.03 53.26,130.05 53.29,130.08 53.32,130.11 53.34,130.13 53.37,130.16 53.39,130.19 53.41,130.22 53.43,130.25 53.45,130.28 53.47,130.31 53.49,130.34 53.5,130.37 53.52,130.4 53.53,130.43 53.54,130.46 53.55,130.48 53.56,130.51 53.57,130.55 53.58,130.6 53.59,130.64 53.6,130.67 53.6,130.67 53.6,130.68 53.61,130.72 53.61,130.73 53.61,130.75 53.62,130.82 53.62,130.85 53.62,130.87 53.63,130.9 53.63,130.98 53.63,131.03 53.63,131.11 53.62,131.14 53.62,131.16 53.61,131.25 53.61,131.27 53.61,131.28 53.61,131.29 53.6,131.33 53.6,131.34 53.59,131.37 53.58,131.41 53.57,131.46 53.56,131.51 53.55,131.53 53.54,131.56 53.53,131.58 53.52,131.61 53.5,131.64 53.49,131.67 53.47,131.7 53.45,131.73 53.43,131.76 53.41,131.79 53.39,131.82 53.37,131.85 53.34,131.88 53.32,131.91 53.29,131.93 53.26,131.96 53.23,131.99 53.19,132.01 53.16,132.03 53.08,132.07 53.04,132.09 53.01,132.12 52.98,132.14 52.95,132.17 52.92,132.19 52.87,132.25 52.84,132.28 52.82,132.31 52.8,132.34 52.78,132.37 52.77,132.4 52.75,132.43 52.72,132.49 52.71,132.52 52.7,132.54 52.69,132.57 52.67,132.62 52.66,132.68 52.65,132.7 52.64,132.73 ; LD7.2 35.8,111.87 35.81,111.85 35.81,111.83 35.82,111.81 35.83,111.79 35.83,111.77 35.85,111.74 35.85,111.72 35.87,111.68 35.88,111.66 35.89,111.64 35.91,111.59 35.92,111.57 35.92,111.54 35.94,111.5 35.95,111.47 35.97,111.45 35.98,111.42 35.99,111.4 36,111.38 36.01,111.35 36.02,111.33 36.02,111.31 36.03,111.3 36.05,111.26 36.06,111.24 36.08,111.21 36.08,111.19 36.1,111.17 36.11,111.16 ; FQ5.2 23.64,139.37 24,139.01 ; FC3.1 56.53,129.98 56.17,130.33 FR3.1 56.17,133.01 ; FC5.1 70.5,121.01 69.2,122.31 FU2.3 66.3,122.31 65,121.01 v2(65,118.01) ; 44.83,142.82 43.89,143.16 43.87,143.17 43.86,143.17 43.83,143.19 43.79,143.21 43.77,143.22 43.74,143.23 43.72,143.24 43.67,143.28 43.64,143.3 43.62,143.31 43.59,143.34 43.54,143.38 43.51,143.41 43.48,143.43 43.46,143.46 43.44,143.49 43.41,143.52 43.39,143.56 43.37,143.59 43.35,143.63 43.33,143.66 43.32,143.7 43.31,143.74 43.29,143.78 43.28,143.82 43.26,143.86 43.24,143.9 43.22,143.93 43.2,143.96 43.18,144 43.15,144.03 43.13,144.05 43.1,144.08 43.08,144.11 43.05,144.13 43.02,144.15 43,144.17 42.94,144.21 42.92,144.23 42.89,144.24 42.85,144.27 42.82,144.28 42.81,144.29 42.77,144.31 42.76,144.31 42.74,144.32 42.73,144.33 42.7,144.34 42.7,144.34 42.69,144.34 42.68,144.34 42.63,144.36 42.61,144.37 42.55,144.39 42.53,144.39 42.5,144.4 42.47,144.41 42.45,144.41 42.44,144.42 42.41,144.43 42.38,144.43 42.31,144.44 42.3,144.44 42.28,144.44 42.26,144.45 42.15,144.45 42.14,144.45 42.12,144.45 42.11,144.45 42.09,144.46 42.06,144.46 41.99,144.46 41.95,144.45 41.93,144.45 41.91,144.45 41.89,144.45 41.84,144.44 41.81,144.43 41.78,144.43 41.72,144.41 41.69,144.4 41.66,144.39 41.62,144.38 41.59,144.37 41.56,144.35 41.52,144.34 41.49,144.32 41.46,144.3 41.43,144.28 41.39,144.25 41.36,144.23 41.33,144.2 41.3,144.17 41.28,144.14 41.22,144.07 41.2,144.04 41.17,144.01 41.14,143.98 41.11,143.96 41.07,143.94 41.04,143.91 41.01,143.89 40.98,143.88 40.94,143.86 40.91,143.85 40.88,143.83 40.84,143.82 40.81,143.81 40.78,143.8 40.72,143.78 40.69,143.78 40.66,143.77 40.61,143.77 40.59,143.76 40.57,143.76 40.53,143.76 40.5,143.76 ; 44.83,142.82 44.85,142.81 44.87,142.81 44.88,142.8 44.92,142.79 44.97,142.78 44.99,142.78 45.05,142.77 45.08,142.76 45.14,142.76 45.17,142.76 45.21,142.76 45.25,142.76 45.28,142.76 45.32,142.77 45.36,142.77 45.39,142.78 45.43,142.79 45.47,142.8 45.51,142.81 45.55,142.83 45.58,142.85 45.62,142.87 45.66,142.89 45.69,142.91 45.73,142.93 45.77,142.95 45.8,142.97 45.84,142.98 45.88,142.99 45.92,143 45.95,143.01 45.99,143.01 46.03,143.02 46.06,143.02 46.1,143.02 46.14,143.02 46.17,143.02 46.2,143.02 46.26,143.01 46.32,143 46.35,143 46.39,142.99 46.41,142.98 46.44,142.97 46.47,142.97 46.48,142.96 46.5,142.95 46.51,142.95 46.53,142.94 46.57,142.93 46.59,142.92 46.63,142.9 46.66,142.89 46.69,142.87 46.71,142.87 46.77,142.84 46.79,142.83 46.81,142.82 46.82,142.81 46.83,142.81 46.85,142.79 46.88,142.78 46.89,142.77 46.91,142.76 46.92,142.75 46.93,142.74 46.94,142.73 47.01,142.68 47.03,142.66 47.07,142.63 47.1,142.61 47.12,142.59 47.14,142.57 47.15,142.56 47.17,142.55 47.18,142.53 47.19,142.51 47.21,142.5 47.23,142.48 47.25,142.46 47.26,142.43 47.28,142.41 47.3,142.38 47.33,142.33 47.35,142.3 47.37,142.26 47.39,142.23 47.4,142.2 47.41,142.16 47.43,142.13 47.44,142.09 47.45,142.05 47.45,142.01 47.46,141.97 47.46,141.93 47.47,141.89 47.46,141.8 47.46,141.76 47.47,141.72 47.47,141.68 47.48,141.64 47.49,141.6 47.5,141.56 47.51,141.53 47.53,141.49 47.54,141.46 47.56,141.43 47.57,141.39 47.59,141.36 47.61,141.34 47.64,141.28 47.66,141.26 47.68,141.23 47.7,141.21 47.72,141.19 47.73,141.18 47.75,141.16 47.76,141.14 47.77,141.13 47.79,141.11 47.81,141.09 48.58,140.45 ; 44.83,142.82 44.83,142.82 44.83,142.83 44.83,142.84 44.83,142.85 44.84,142.89 44.84,142.9 44.84,142.91 44.85,142.92 44.85,142.94 44.86,142.95 44.86,142.99 44.87,143.01 44.88,143.03 44.88,143.05 44.89,143.08 44.9,143.11 44.91,143.13 44.93,143.21 44.94,143.23 44.95,143.28 44.96,143.3 44.97,143.33 44.98,143.37 45,143.43 45.02,143.47 45.02,143.48 45.03,143.5 45.04,143.52 45.04,143.54 45.05,143.57 FD9.2 ; 50.79,124.2 50.81,124.19 50.84,124.19 50.85,124.18 50.86,124.18 50.89,124.16 50.91,124.16 50.92,124.15 50.97,124.13 51.02,124.1 51.04,124.09 51.06,124.08 51.09,124.07 51.14,124.05 51.18,124.02 51.23,124 51.25,123.99 51.27,123.97 51.31,123.95 51.36,123.92 51.41,123.9 51.47,123.87 51.48,123.86 51.51,123.84 ; 50.79,124.2 50.77,124.15 50.75,124.12 50.74,124.1 50.72,124.05 50.72,124.02 50.7,123.97 50.68,123.9 50.67,123.87 50.67,123.84 50.66,123.8 50.66,123.73 50.66,123.69 50.66,123.65 50.66,123.61 50.66,123.57 50.67,123.53 50.68,123.49 50.69,123.45 50.7,123.41 50.72,123.37 50.74,123.33 50.75,123.29 50.76,123.25 50.77,123.21 50.78,123.18 50.78,123.14 50.78,123.1 50.78,123.06 50.78,123.02 50.78,122.95 50.77,122.91 50.76,122.85 50.74,122.78 50.72,122.73 50.72,122.7 50.7,122.65 50.69,122.63 50.68,122.61 50.67,122.6 50.67,122.58 50.66,122.56 50.64,122.54 50.64,122.53 50.63,122.51 50.61,122.49 50.61,122.48 50.59,122.46 50.57,122.42 50.56,122.41 50.53,122.37 50.52,122.34 50.51,122.33 50.48,122.29 50.45,122.25 50.44,122.24 50.44,122.23 50.41,122.2 50.36,122.15 50.35,122.14 50.34,122.13 50.27,122.07 50.2,122.01 50.18,121.99 50.17,121.98 50.16,121.97 50.15,121.97 50.12,121.95 50.1,121.93 50.08,121.92 50.04,121.9 49.99,121.87 49.94,121.84 49.91,121.83 49.87,121.82 49.84,121.81 49.81,121.79 49.77,121.78 49.7,121.77 49.66,121.76 49.62,121.76 49.58,121.75 49.54,121.75 49.5,121.76 49.46,121.76 49.42,121.77 49.34,121.78 49.3,121.79 49.25,121.79 49.21,121.8 49.17,121.8 49.13,121.79 49.09,121.79 49.06,121.78 49.02,121.77 48.98,121.77 48.95,121.76 48.92,121.74 48.88,121.73 48.85,121.72 48.82,121.71 48.79,121.69 48.77,121.68 48.74,121.67 48.72,121.65 48.69,121.64 48.64,121.6 48.62,121.59 48.61,121.58 48.6,121.58 48.58,121.56 47.81,120.92 ; 50.79,124.2 51.29,125.06 51.31,125.1 51.33,125.12 51.36,125.16 51.39,125.2 51.45,125.26 51.47,125.28 51.49,125.31 51.52,125.33 51.55,125.35 51.57,125.37 51.6,125.4 51.63,125.42 51.67,125.44 51.7,125.45 51.73,125.47 51.77,125.49 51.81,125.5 51.85,125.51 51.89,125.53 51.93,125.53 51.97,125.54 52.01,125.54 52.05,125.55 52.09,125.56 52.13,125.58 52.17,125.59 52.21,125.61 52.24,125.62 52.27,125.64 52.31,125.66 52.34,125.68 52.37,125.7 52.39,125.73 52.42,125.75 52.45,125.77 52.47,125.79 52.49,125.82 52.53,125.86 52.57,125.9 52.58,125.92 52.62,125.97 52.64,126 52.65,126.01 52.66,126.03 52.67,126.06 52.69,126.09 52.7,126.11 52.71,126.12 52.72,126.15 52.73,126.16 52.75,126.2 52.76,126.22 52.78,126.26 52.79,126.29 52.82,126.36 52.83,126.38 52.83,126.4 52.84,126.44 52.85,126.46 52.85,126.48 52.85,126.49 52.86,126.52 52.86,126.54 52.87,126.55 52.88,126.6 52.88,126.62 52.89,126.67 52.9,126.7 52.9,126.72 52.9,126.73 52.91,126.75 52.91,126.77 52.91,126.79 52.91,126.84 52.91,126.87 52.91,126.95 52.9,126.98 52.9,127.02 52.89,127.05 52.89,127.08 52.88,127.12 52.87,127.15 52.86,127.19 52.85,127.23 52.84,127.26 52.82,127.3 52.8,127.33 52.78,127.37 52.76,127.4 52.74,127.44 52.71,127.47 52.66,127.53 52.63,127.57 52.61,127.6 52.58,127.63 52.56,127.67 52.55,127.7 52.53,127.74 52.52,127.78 52.5,127.81 52.5,127.85 52.49,127.88 52.48,127.92 52.47,127.95 52.47,127.98 ; 20,108.51 20,109.51 ; 20,108.51 LD22.1 ; 20,108.51 LR8.1 ; 20,109.51 22.5,109.51 ; 20,109.51 17.5,109.51 15.97,111.03 LU4.8 ; FQ2.1 23.09,125.1 24,126.01 ; 31.42,121.56 31.4,121.58 31.39,121.58 31.38,121.59 31.35,121.61 31.31,121.64 31.28,121.65 31.26,121.67 31.23,121.68 31.21,121.69 31.18,121.71 31.15,121.72 31.12,121.73 31.08,121.74 31.05,121.76 31.02,121.77 30.98,121.77 30.94,121.78 30.91,121.79 30.87,121.79 30.83,121.8 30.79,121.8 30.75,121.79 30.7,121.79 30.66,121.78 30.58,121.77 30.54,121.76 30.5,121.76 30.46,121.75 30.42,121.75 30.38,121.76 30.34,121.76 30.3,121.77 30.23,121.78 30.19,121.79 30.16,121.81 30.13,121.82 30.09,121.83 30.06,121.84 30.01,121.87 29.96,121.9 29.92,121.92 29.9,121.93 29.85,121.97 29.84,121.97 29.83,121.98 29.76,122.04 29.74,122.06 29.73,122.07 29.66,122.13 29.65,122.14 29.64,122.15 29.59,122.2 29.56,122.23 29.56,122.24 29.55,122.25 29.52,122.29 29.49,122.33 29.48,122.34 29.45,122.39 29.44,122.41 29.43,122.42 29.41,122.45 29.41,122.46 29.39,122.48 29.38,122.5 29.37,122.52 29.36,122.54 29.35,122.55 29.34,122.56 29.33,122.58 29.33,122.6 29.32,122.61 29.31,122.63 29.3,122.65 29.28,122.7 29.28,122.73 29.26,122.78 29.24,122.85 29.23,122.91 29.22,122.95 29.22,123.02 29.22,123.06 29.22,123.1 29.22,123.14 29.22,123.18 29.23,123.21 29.24,123.25 29.25,123.29 29.26,123.33 29.28,123.37 29.3,123.41 29.31,123.45 29.32,123.49 29.33,123.53 29.34,123.57 29.34,123.61 29.34,123.65 29.34,123.69 29.34,123.73 29.34,123.8 29.33,123.84 29.33,123.87 29.32,123.9 29.3,123.97 29.28,124.02 29.28,124.05 29.26,124.1 29.25,124.12 29.23,124.15 29.22,124.19 29.21,124.2 28.71,125.06 ; 31.42,121.56 32.19,120.92 32.21,120.9 32.23,120.88 32.24,120.87 32.25,120.85 32.27,120.84 32.28,120.82 32.3,120.8 32.32,120.78 32.34,120.76 32.36,120.73 32.39,120.68 32.41,120.65 32.43,120.62 32.44,120.59 32.46,120.55 32.47,120.52 32.49,120.49 32.5,120.45 32.51,120.41 32.52,120.37 32.53,120.33 32.53,120.29 32.54,120.25 32.54,120.21 32.53,120.13 32.54,120.08 32.54,120.04 32.55,120 32.55,119.96 32.56,119.92 32.57,119.89 32.59,119.85 32.6,119.82 32.61,119.78 32.63,119.75 32.65,119.72 32.67,119.69 32.7,119.63 32.72,119.6 32.74,119.58 32.75,119.56 32.77,119.54 32.79,119.52 32.81,119.5 32.82,119.48 32.83,119.47 32.85,119.45 32.88,119.43 32.9,119.41 32.91,119.4 32.96,119.36 32.97,119.35 32.99,119.33 33.06,119.28 33.07,119.28 33.08,119.27 33.09,119.26 33.11,119.25 33.12,119.24 33.15,119.22 33.17,119.21 33.18,119.2 33.19,119.19 33.22,119.18 33.26,119.16 33.29,119.14 33.31,119.14 33.34,119.12 33.37,119.11 33.41,119.09 33.47,119.07 33.5,119.06 33.51,119.06 33.52,119.05 33.56,119.04 33.59,119.03 33.61,119.03 33.65,119.02 33.68,119.01 33.74,119 33.8,119 33.83,119 33.86,118.99 33.9,118.99 33.94,119 33.97,119 34.01,119 34.05,119.01 34.08,119.01 34.12,119.02 34.16,119.03 34.2,119.05 34.23,119.06 34.27,119.08 34.31,119.1 34.34,119.12 34.38,119.15 34.42,119.17 34.45,119.18 34.49,119.2 34.53,119.21 34.57,119.22 34.61,119.23 34.64,119.24 34.68,119.25 34.72,119.25 34.75,119.25 34.79,119.25 34.83,119.25 34.86,119.25 34.92,119.25 34.98,119.24 35.01,119.24 35.06,119.23 35.08,119.22 35.12,119.21 35.13,119.21 35.15,119.2 35.17,119.2 ; 31.42,121.56 31.42,121.56 31.41,121.54 31.39,121.51 31.38,121.49 31.37,121.47 31.36,121.45 31.34,121.43 31.32,121.39 31.3,121.37 31.26,121.31 31.24,121.29 31.23,121.27 31.21,121.25 31.19,121.23 31.16,121.19 31.12,121.13 31.09,121.09 31.08,121.08 31.06,121.06 31.04,121.03 31.03,121.01 30.98,120.96 30.96,120.94 30.96,120.93 30.95,120.92 FD19.2 ; FQ5.8 14.91,138.1 14,139.01 ; LD22.2 13,108.51 ; 48.58,140.45 48.58,140.45 48.59,140.47 48.61,140.51 48.62,140.52 48.63,140.55 48.64,140.56 48.66,140.59 48.68,140.62 48.7,140.64 48.74,140.7 48.76,140.72 48.77,140.74 48.79,140.76 48.81,140.78 48.84,140.83 48.88,140.88 48.91,140.92 48.92,140.94 48.94,140.95 48.96,140.98 48.97,141 49.02,141.06 49.04,141.07 49.04,141.08 49.05,141.1 FD10.2 ; 48.58,140.45 48.6,140.44 48.61,140.43 48.62,140.42 48.65,140.4 48.69,140.37 48.72,140.36 48.74,140.35 48.77,140.33 48.79,140.32 48.82,140.31 48.85,140.29 48.88,140.28 48.92,140.27 48.95,140.26 48.98,140.25 49.02,140.24 49.06,140.23 49.09,140.22 49.13,140.22 49.17,140.22 49.21,140.22 49.25,140.22 49.3,140.22 49.34,140.23 49.42,140.25 49.46,140.25 49.5,140.26 49.54,140.26 49.58,140.26 49.62,140.26 49.66,140.25 49.7,140.25 49.77,140.23 49.81,140.22 49.84,140.21 49.87,140.2 49.91,140.18 49.94,140.17 49.99,140.14 50.04,140.12 50.08,140.09 50.1,140.08 50.15,140.05 50.16,140.04 50.17,140.03 50.24,139.97 50.26,139.95 50.27,139.95 50.34,139.88 50.35,139.87 50.36,139.86 50.41,139.81 50.44,139.78 50.44,139.77 50.45,139.76 50.48,139.73 50.51,139.69 50.52,139.67 50.55,139.62 50.56,139.61 50.57,139.59 50.59,139.57 50.59,139.55 50.61,139.53 50.62,139.51 50.63,139.49 50.64,139.47 50.65,139.46 50.66,139.45 50.67,139.43 50.67,139.42 50.68,139.4 50.69,139.38 50.7,139.36 50.72,139.31 50.72,139.29 50.74,139.23 50.76,139.17 50.77,139.1 50.78,139.06 50.78,138.99 50.78,138.95 50.78,138.92 50.78,138.88 50.78,138.84 50.77,138.8 50.76,138.76 50.75,138.72 50.74,138.68 50.72,138.64 50.7,138.6 50.69,138.56 50.68,138.52 50.67,138.48 